# Altium PCB STB_LightBoard.PcbDoc (part 29 of 31) (continued)
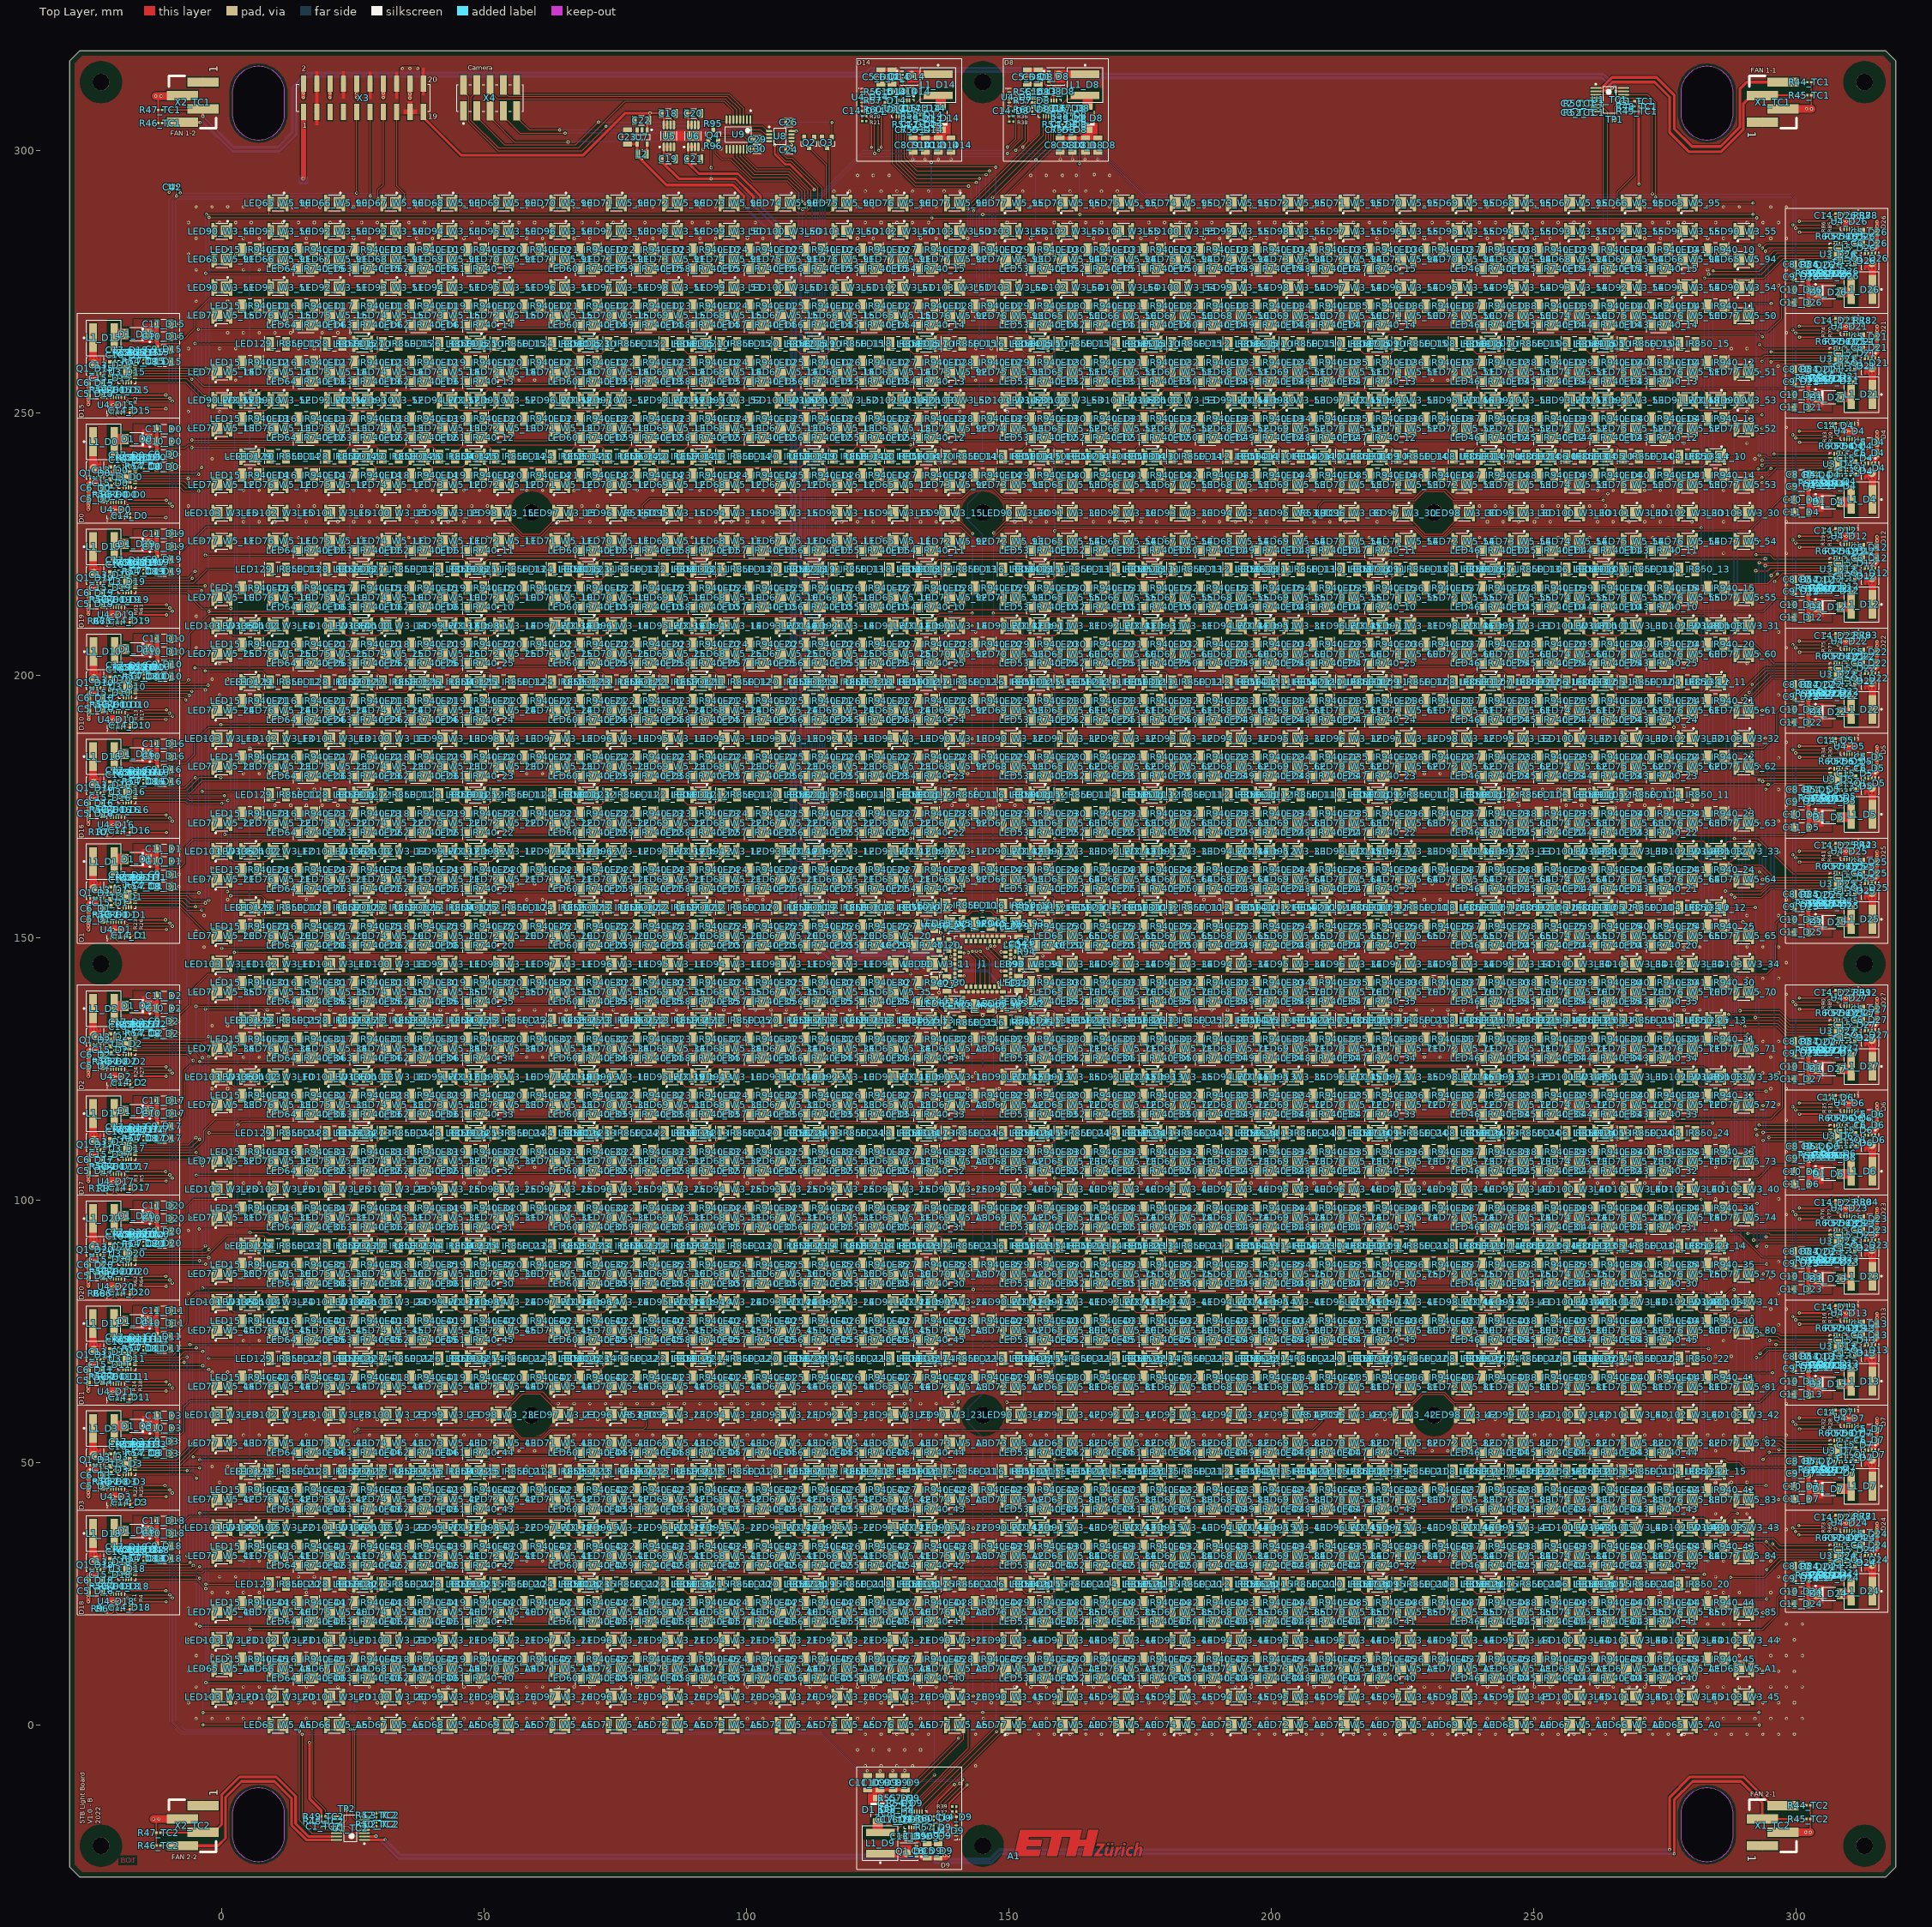
[diagram p0: Top Layer view]
## Nets (pads, with @x,y where several pads share a name; then routed paths per layer and width w, separated by ;. In a path a pad name is that pad's centre, name@x,y a point inside that pad or via, vN(x,y) a via of type N, cw(c..) or ccw(c..) an arc to the next point about the centre after c; other vN are vias at no path point) (continued)
NetLED141_b_14_1: LED141_b_14.1 LED142_b_14.2 | length 21.9
  Top Layer w0.2: LED141_b_14.1@135.962,80.55 LED141_b_14.1@135.962,81.6 ; LED142_b_14.2@154.044,80.55 154.044,81.825 153.421,82.448 136.634,82.448 136.211,82.025 136.162,82.025 135.962,81.825 LED141_b_14.1@135.962,81.6 ; LED141_b_14.1@135.962,81.6 135.562,81.6 LED141_b_14.1@135.962,81.6
NetLED141_b_15_1: LED141_b_15.1 LED142_b_15.2 | length 22.5
  Top Layer w0.2: LED141_b_15.1@135.962,37.59 LED141_b_15.1@135.962,38.64 ; LED142_b_15.2@154.634,37.59 LED142_b_15.2@154.044,37.59 154.044,38.865 153.461,39.448 136.545,39.448 135.962,38.865 LED141_b_15.1@135.962,38.64 ; LED141_b_15.1@135.962,38.64 135.562,38.64 LED141_b_15.1@135.962,38.64
NetLED142_b_10_1: LED142_b_10.1 LED143_b_10.2 | length 20.3
  Top Layer w0.2: LED142_b_10.1@156.379,252.39 LED142_b_10.1@157.444,252.39 ; LED142_b_10.1@157.444,253.665 157.644,253.865 158.109,254.33 174.861,254.33 LED143_b_10.2@175.526,253.665 ; LED143_b_10.2@175.526,252.39 LED143_b_10.2@176.116,252.39
NetLED142_b_11_1: LED142_b_11.1 LED143_b_11.2 | length 18.5
  Top Layer w0.2: LED142_b_11.1@157.444,210.705 157.996,211.257 174.974,211.257 LED143_b_11.2@175.526,210.705
NetLED142_b_12_1: LED142_b_12.1 LED143_b_12.2 | length 21.9
  Top Layer w0.2: LED142_b_12.1@157.444,166.47 LED142_b_12.1@157.444,167.52 ; LED143_b_12.2@175.526,166.47 175.526,167.745 174.925,168.346 158.094,168.346 157.693,167.945 157.644,167.945 157.444,167.745 LED142_b_12.1@157.444,167.52 ; LED142_b_12.1@157.444,167.52 157.044,167.52 LED142_b_12.1@157.444,167.52
NetLED142_b_13_1: LED142_b_13.1 LED143_b_13.2 | length 19.8
  Top Layer w0.2: LED142_b_13.1@157.044,124.56 157.444,124.56 157.444,124.785 157.644,124.985 157.693,124.985 158.128,125.42 174.891,125.42 LED143_b_13.2@175.526,124.785 ; LED143_b_13.2@175.526,123.51 LED143_b_13.2@176.116,123.51
NetLED142_b_14_1: LED142_b_14.1 LED143_b_14.2 | length 22.4
  Top Layer w0.2: LED142_b_14.1@157.444,80.55 157.444,81.825 158.017,82.398 174.904,82.398 175.277,82.025 175.326,82.025 LED143_b_14.2@175.526,81.825 ; LED143_b_14.2@175.526,81.825 LED143_b_14.2@175.526,80.55 LED143_b_14.2@175.526,81.825
NetLED142_b_15_1: LED142_b_15.1 LED143_b_15.2 | length 21.7
  Top Layer w0.2: LED142_b_15.1@157.444,37.59 157.444,38.865 158.027,39.448 174.943,39.448 175.526,38.865 LED143_b_15.2@175.526,37.59 LED143_b_15.2@176.116,37.59
NetLED143_b_10_1: LED143_b_10.1 LED144_b_10.2 | length 20.3
  Top Layer w0.2: LED143_b_10.1@177.861,252.39 LED143_b_10.1@178.926,252.39 ; LED143_b_10.1@178.926,253.665 179.126,253.865 179.591,254.33 196.343,254.33 LED144_b_10.2@197.008,253.665 ; LED144_b_10.2@197.008,252.39 LED144_b_10.2@197.598,252.39
NetLED143_b_11_1: LED143_b_11.1 LED144_b_11.2 | length 18.5
  Top Layer w0.2: LED143_b_11.1@178.926,210.705 179.478,211.257 196.456,211.257 LED144_b_11.2@197.008,210.705
NetLED143_b_12_1: LED143_b_12.1 LED144_b_12.2 | length 21.6
  Top Layer w0.2: LED143_b_12.1@178.526,167.52 LED143_b_12.1@178.926,167.52 ; LED143_b_12.1@178.926,166.47 LED143_b_12.1@178.926,167.52 ; LED144_b_12.2@197.008,166.47 197.008,167.745 196.353,168.4 179.63,168.4 179.175,167.945 179.126,167.945 178.926,167.745 LED143_b_12.1@178.926,167.52
NetLED143_b_13_1: LED143_b_13.1 LED144_b_13.2 | length 19.8
  Top Layer w0.2: LED143_b_13.1@178.526,124.56 178.926,124.56 178.926,124.785 179.126,124.985 179.175,124.985 179.61,125.42 196.373,125.42 LED144_b_13.2@197.008,124.785 ; LED144_b_13.2@197.008,123.51 LED144_b_13.2@197.598,123.51
NetLED143_b_14_1: LED143_b_14.1 LED144_b_14.2 | length 21.1
  Top Layer w0.2: LED143_b_14.1@178.926,80.55 178.926,81.825 179.499,82.398 196.386,82.398 196.759,82.025 196.808,82.025 197.008,81.825 LED144_b_14.2@197.008,80.55
NetLED143_b_15_1: LED143_b_15.1 LED144_b_15.2 | length 21.7
  Top Layer w0.2: LED143_b_15.1@178.926,37.59 178.926,38.865 179.509,39.448 196.425,39.448 197.008,38.865 LED144_b_15.2@197.008,37.59 LED144_b_15.2@197.598,37.59
NetLED144_b_10_1: LED144_b_10.1 LED145_b_10.2 | length 19.7
  Top Layer w0.2: LED144_b_10.1@199.343,252.39 LED144_b_10.1@200.408,252.39 ; LED144_b_10.1@200.408,253.665 200.608,253.865 201.073,254.33 217.825,254.33 LED145_b_10.2@218.49,253.665
NetLED144_b_11_1: LED144_b_11.1 LED145_b_11.2 | length 18.5
  Top Layer w0.2: LED144_b_11.1@200.408,210.705 200.96,211.257 217.938,211.257 LED145_b_11.2@218.49,210.705
NetLED144_b_12_1: LED144_b_12.1 LED145_b_12.2 | length 21.6
  Top Layer w0.2: LED144_b_12.1@200.008,167.52 LED144_b_12.1@200.408,167.52 ; LED144_b_12.1@200.408,166.47 LED144_b_12.1@200.408,167.52 ; LED145_b_12.2@218.49,166.47 218.49,167.745 217.835,168.4 201.112,168.4 200.657,167.945 200.608,167.945 200.408,167.745 LED144_b_12.1@200.408,167.52
NetLED144_b_13_1: LED144_b_13.1 LED145_b_13.2 | length 19.2
  Top Layer w0.2: LED144_b_13.1@200.008,124.56 200.408,124.56 200.408,124.785 200.608,124.985 200.657,124.985 201.092,125.42 217.855,125.42 LED145_b_13.2@218.49,124.785
NetLED144_b_14_1: LED144_b_14.1 LED145_b_14.2 | length 21.1
  Top Layer w0.2: LED144_b_14.1@200.408,80.55 200.408,81.825 200.981,82.398 217.868,82.398 218.241,82.025 218.29,82.025 218.49,81.825 LED145_b_14.2@218.49,80.55
NetLED144_b_15_1: LED144_b_15.1 LED145_b_15.2 | length 21.7
  Top Layer w0.2: LED144_b_15.1@200.408,37.59 200.408,38.865 200.991,39.448 217.907,39.448 218.49,38.865 LED145_b_15.2@218.49,37.59 LED145_b_15.2@219.08,37.59
NetLED145_b_10_1: LED145_b_10.1 LED146_b_10.2 | length 19.7
  Top Layer w0.2: LED145_b_10.1@220.825,252.39 LED145_b_10.1@221.89,252.39 ; LED145_b_10.1@221.89,253.665 222.09,253.865 222.555,254.33 239.307,254.33 LED146_b_10.2@239.972,253.665
NetLED145_b_11_1: LED145_b_11.1 LED146_b_11.2 | length 18.5
  Top Layer w0.2: LED145_b_11.1@221.89,210.705 222.442,211.257 239.42,211.257 LED146_b_11.2@239.972,210.705
NetLED145_b_12_1: LED145_b_12.1 LED146_b_12.2 | length 21.6
  Top Layer w0.2: LED145_b_12.1@221.49,167.52 LED145_b_12.1@221.89,167.52 ; LED145_b_12.1@221.89,166.47 LED145_b_12.1@221.89,167.52 ; LED146_b_12.2@239.972,166.47 239.972,167.745 239.317,168.4 222.594,168.4 222.139,167.945 222.09,167.945 221.89,167.745 LED145_b_12.1@221.89,167.52
NetLED145_b_13_1: LED145_b_13.1 LED146_b_13.2 | length 19.2
  Top Layer w0.2: LED145_b_13.1@221.49,124.56 221.89,124.56 221.89,124.785 222.09,124.985 222.139,124.985 222.574,125.42 239.337,125.42 LED146_b_13.2@239.972,124.785
NetLED145_b_14_1: LED145_b_14.1 LED146_b_14.2 | length 21.1
  Top Layer w0.2: LED145_b_14.1@221.89,80.55 221.89,81.825 222.463,82.398 239.35,82.398 239.723,82.025 239.772,82.025 239.972,81.825 LED146_b_14.2@239.972,80.55
NetLED145_b_15_1: LED145_b_15.1 LED146_b_15.2 | length 21.7
  Top Layer w0.2: LED145_b_15.1@221.89,37.59 221.89,38.865 222.473,39.448 239.389,39.448 239.972,38.865 LED146_b_15.2@239.972,37.59 LED146_b_15.2@240.562,37.59
NetLED146_b_10_1: LED146_b_10.1 LED147_b_10.2 | length 19.7
  Top Layer w0.2: LED146_b_10.1@242.307,252.39 LED146_b_10.1@243.372,252.39 ; LED146_b_10.1@243.372,253.665 243.572,253.865 244.037,254.33 260.789,254.33 LED147_b_10.2@261.454,253.665
NetLED146_b_11_1: LED146_b_11.1 LED147_b_11.2 | length 21.1
  Top Layer w0.2: LED146_b_11.1@243.372,209.43 243.372,210.705 243.924,211.257 259.888,211.257 259.958,211.188 260.971,211.188 261.454,210.705 LED147_b_11.2@261.454,209.43
NetLED146_b_12_1: LED146_b_12.1 LED147_b_12.2 | length 22.2
  Top Layer w0.2: LED146_b_12.1@242.972,167.52 LED146_b_12.1@243.372,167.52 ; LED146_b_12.1@243.372,166.47 LED146_b_12.1@243.372,167.52 ; LED147_b_12.2@262.044,166.47 LED147_b_12.2@261.454,166.47 261.454,167.745 260.799,168.4 244.076,168.4 243.621,167.945 243.572,167.945 243.372,167.745 LED146_b_12.1@243.372,167.52
NetLED146_b_13_1: LED146_b_13.1 LED147_b_13.2 | length 19.2
  Top Layer w0.2: LED146_b_13.1@242.972,124.56 243.372,124.56 243.372,124.785 243.572,124.985 243.621,124.985 244.056,125.42 260.819,125.42 LED147_b_13.2@261.454,124.785
NetLED146_b_14_1: LED146_b_14.1 LED147_b_14.2 | length 21.1
  Top Layer w0.2: LED146_b_14.1@243.372,80.55 243.372,81.825 243.945,82.398 260.832,82.398 261.205,82.025 261.254,82.025 261.454,81.825 LED147_b_14.2@261.454,80.55
NetLED146_b_15_1: LED146_b_15.1 LED147_b_15.2 | length 21.7
  Top Layer w0.2: LED146_b_15.1@243.372,37.59 243.372,38.865 243.955,39.448 260.871,39.448 261.454,38.865 LED147_b_15.2@261.454,37.59 LED147_b_15.2@262.044,37.59
NetLED147_b_10_1: LED147_b_10.1 LED148_b_10.2 | length 21.6
  Top Layer w0.2: LED147_b_10.1@263.789,252.39 LED147_b_10.1@264.854,252.39 ; LED147_b_10.1@264.854,253.665 265.054,253.865 265.519,254.33 282.271,254.33 282.936,253.665 LED148_b_10.2@282.936,252.39 LED148_b_10.2@283.526,252.39
NetLED147_b_11_1: LED147_b_11.1 LED148_b_11.2 | length 21.2
  Top Layer w0.2: LED147_b_11.1@264.854,209.43 264.854,210.705 265.337,211.188 265.564,211.188 265.742,211.366 282.275,211.366 282.936,210.705 LED148_b_11.2@282.936,209.43
NetLED147_b_12_1: LED147_b_12.1 LED148_b_12.2 | length 21.6
  Top Layer w0.2: LED147_b_12.1@264.454,167.52 LED147_b_12.1@264.854,167.52 ; LED147_b_12.1@264.854,166.47 LED147_b_12.1@264.854,167.52 ; LED148_b_12.2@282.936,166.47 282.936,167.745 282.281,168.4 265.558,168.4 265.103,167.945 265.054,167.945 264.854,167.745 LED147_b_12.1@264.854,167.52
NetLED147_b_13_1: LED147_b_13.1 LED148_b_13.2 | length 19.2
  Top Layer w0.2: LED147_b_13.1@264.454,124.56 264.854,124.56 264.854,124.785 265.054,124.985 265.103,124.985 265.538,125.42 282.301,125.42 LED148_b_13.2@282.936,124.785
NetLED147_b_14_1: LED147_b_14.1 LED148_b_14.2 | length 21.1
  Top Layer w0.2: LED147_b_14.1@264.854,80.55 264.854,81.825 265.427,82.398 282.314,82.398 282.687,82.025 282.736,82.025 282.936,81.825 LED148_b_14.2@282.936,80.55
NetLED147_b_15_1: LED147_b_15.1 LED148_b_15.2 | length 21.7
  Top Layer w0.2: LED147_b_15.1@264.854,37.59 264.854,38.865 265.437,39.448 282.353,39.448 282.936,38.865 LED148_b_15.2@282.936,37.59 LED148_b_15.2@283.526,37.59
NetLED148_b_10_1: LED148_b_10.1 U3_D25.10 | length 107.8
  Top Layer w0.2: LED148_b_10.1@285.271,252.39 LED148_b_10.1@286.336,252.39 286.346,252.4 v1(287.4,252.4) ; v1(288.2,168.9) 292.7,168.9 299.4,162.2 U3_D25.10@307.25,162.2
  Bottom Layer w0.2: v1(287.4,252.4) 288.2,251.6 v1(288.2,168.9)
NetLED148_b_11_1: LED148_b_11.1 U3_D25.11 | length 68
  Top Layer w0.2: LED148_b_11.1@285.271,209.43 LED148_b_11.1@286.336,209.43 286.406,209.5 v1(287.5,209.5) ; v1(287.498,163.8) 293.4,163.8 295.75,161.45 U3_D25.11@306.5,161.45
  Bottom Layer w0.2: v1(287.498,163.8) 287.534,163.837 287.534,198.929 287.5,198.963 v1(287.5,209.5)
NetLED148_b_12_1: LED148_b_12.1 U3_D25.12 | length 29
  Top Layer w0.2: LED148_b_12.1@286.336,165.195 LED148_b_12.1@286.336,166.47 286.336,167.745 286.921,168.33 292.37,168.33 292.945,167.755 v1(292.945,167.661) ; v1@293.086,162.586 294.722,160.95 U3_D25.12@306.5,160.95
  Bottom Layer w0.2: v1(292.945,167.661) 292.973,167.634 292.973,162.527 v1(293,162.5)
NetLED148_b_13_1: LED148_b_13.1 U3_D25.13 | length 58
  Top Layer w0.2: LED148_b_13.1@285.271,123.51 LED148_b_13.1@286.336,123.51 v1(286.99,123.51) ; v1(286.5,158.9) 293.4,158.9 294.95,160.45 U3_D25.13@306.5,160.45
  Bottom Layer w0.2: v1(286.5,158.9) 286.541,158.859 286.541,123.959 v1(286.99,123.51)
NetLED148_b_14_1: LED148_b_14.1 U3_D25.14 | length 99.7
  Top Layer w0.2: LED148_b_14.1@285.271,80.55 LED148_b_14.1@286.336,80.55 286.336,81.825 287.498,82.987 288.133,82.987 v1(288.146,83) ; v1(287.654,158.2) 287.708,158.254 293.254,158.254 294.95,159.95 U3_D25.14@306.5,159.95
  Bottom Layer w0.2: v1(287.654,158.2) 287.654,143.246 288.254,142.646 288.254,83.702 288.154,83.602 288.154,83.008 v1(288.146,83)
NetLED148_b_15_1: LED148_b_15.1 U3_D25.15 | length 140.9
  Top Layer w0.2: LED148_b_15.1@286.336,37.59 286.336,38.865 287.771,40.3 v1(288.8,40.3) ; v1(288.3,157.7) 293.4,157.7 295.15,159.45 U3_D25.15@306.5,159.45
  Bottom Layer w0.2: v1(288.3,157.7) 288.3,149.295 288.7,148.895 288.7,40.619 288.723,40.596 288.723,40.377 v1(288.8,40.3)
NetQ1_D0_4: Q1_D0.4 U3_D0.1 | length 4.7
  Top Layer w0.2: Q1_D0.4@-23.096,237.588 -23.096,237.728 -22.986,237.838 -22.58,237.838 -22,238.418 -22,238.993 -21.883,239.111 -20.708,239.111 -20.705,239.113 -19.884,239.113 -19.871,239.1 -19.827,239.1 -19.777,239.05 U3_D0.1@-19.5,239.05
NetQ1_D1_4: Q1_D1.4 U3_D1.1 | length 4.7
  Top Layer w0.2: Q1_D1.4@-23.096,157.588 -23.096,157.728 -22.986,157.838 -22.58,157.838 -22,158.418 -22,158.981 -21.883,159.098 -19.869,159.098 -19.84,159.069 -19.519,159.069 U3_D1.1@-19.5,159.05
NetQ1_D2_4: Q1_D2.4 U3_D2.1 | length 4.7
  Top Layer w0.2: Q1_D2.4@-23.096,129.588 -23.096,129.728 -22.986,129.838 -22.58,129.838 -22,130.418 -22,130.979 -21.883,131.096 -19.867,131.096 -19.84,131.069 -19.519,131.069 U3_D2.1@-19.5,131.05
NetQ1_D3_4: Q1_D3.4 U3_D3.1 | length 4.7
  Top Layer w0.2: Q1_D3.4@-23.096,49.588 -23.096,49.728 -22.986,49.838 -22.58,49.838 -22,50.418 -22,50.979 -21.883,51.096 -19.867,51.096 -19.84,51.069 U3_D3.1@-19.519,51.069 ; U3_D3.1@-19.519,51.069 U3_D3.1@-19.5,51.05 U3_D3.1@-19.519,51.069
NetQ1_D4_4: Q1_D4.4 U3_D4.1 | length 4.6
  Top Layer w0.2: U3_D4.1@309.5,238.95 309.519,238.931 309.84,238.931 309.853,238.918 310.701,238.918 310.708,238.911 311.875,238.911 312,239.035 312,239.582 312.58,240.162 312.986,240.162 313.096,240.272 Q1_D4.4@313.096,240.412
NetQ1_D5_4: Q1_D5.4 U3_D5.1 | length 4.7
  Top Layer w0.2: U3_D5.1@309.5,178.95 309.519,178.931 309.84,178.931 309.87,178.901 311.883,178.901 312,179.018 312,179.582 312.58,180.162 312.986,180.162 313.096,180.272 Q1_D5.4@313.096,180.412
NetQ1_D6_4: Q1_D6.4 U3_D6.1 | length 4.6
  Top Layer w0.2: U3_D6.1@309.5,110.95 309.519,110.931 309.84,110.931 309.853,110.917 310.701,110.917 310.708,110.91 311.876,110.91 312,111.035 312,111.582 312.58,112.162 312.986,112.162 313.096,112.272 Q1_D6.4@313.096,112.412
NetQ1_D7_4: Q1_D7.4 U3_D7.1 | length 4.7
  Top Layer w0.2: U3_D7.1@309.5,50.95 309.777,50.95 309.827,50.9 U3_D7.1@309.871,50.9 ; U3_D7.1@309.871,50.899 311.883,50.899 312,51.016 312,51.582 312.58,52.162 312.986,52.162 313.096,52.272 Q1_D7.4@313.096,52.412
NetQ1_D8_4: Q1_D8.4 U3_D8.1 | length 4.6
  Top Layer w0.2: Q1_D8.4@157.6,313.125 157.716,313.125 157.826,313.015 157.826,312.767 158.328,312.266 158.694,312.266 159.104,311.856 159.104,309.831 159.05,309.777 U3_D8.1@159.05,309.5
NetQ1_D9_4: Q1_D9.4 U3_D9.1 | length 4.5
  Top Layer w0.2: U3_D9.1@130.95,-19.5 130.95,-20.669 130.911,-20.708 130.911,-21.839 131.11,-22.039 131.45,-22.039 132.176,-22.765 132.176,-23.015 132.286,-23.125 Q1_D9.4@132.4,-23.125
NetQ1_D10_4: Q1_D10.4 U3_D10.1 | length 4.7
  Top Layer w0.2: Q1_D10.4@-23.038,197.588 -23.038,197.728 -22.928,197.838 -22.522,197.838 -21.942,198.418 -21.942,198.993 -21.825,199.111 -19.823,199.111 -19.782,199.069 -19.461,199.069 U3_D10.1@-19.442,199.05
NetQ1_D11_4: Q1_D11.4 U3_D11.1 | length 4.6
  Top Layer w0.2: Q1_D11.4@-23.138,69.588 -23.138,69.728 -23.028,69.838 -22.622,69.838 -22.042,70.418 -22.042,70.967 -21.919,71.089 -20.75,71.089 -20.745,71.084 -19.897,71.084 -19.882,71.069 -19.561,71.069 U3_D11.1@-19.542,71.05
NetQ1_D12_4: Q1_D12.4 U3_D12.1 | length 4.7
  Top Layer w0.2: U3_D12.1@309.5,218.95 309.777,218.95 309.827,218.9 U3_D12.1@309.871,218.9 ; U3_D12.1@309.871,218.899 311.883,218.899 312,219.017 312,219.582 312.58,220.162 312.986,220.162 313.096,220.272 Q1_D12.4@313.096,220.412
NetQ1_D13_4: Q1_D13.4 U3_D13.1 | length 4.7
  Top Layer w0.2: U3_D13.1@309.5,70.95 309.777,70.95 309.827,70.9 309.871,70.9 309.88,70.891 311.883,70.891 312,71.008 312,71.582 312.58,72.162 312.986,72.162 313.096,72.272 Q1_D13.4@313.096,72.412
NetQ1_D14_4: Q1_D14.4 U3_D14.1 | length 4.6
  Top Layer w0.2: Q1_D14.4@129.579,313.088 129.719,313.088 129.829,312.978 129.829,312.571 130.409,311.992 130.982,311.992 131.099,311.874 U3_D14.1@131.099,309.5
NetQ1_D15_4: Q1_D15.4 U3_D15.1 | length 4.6
  Top Layer w0.2: Q1_D15.4@-23.096,257.588 -23.096,257.619 -22.986,257.729 -22.689,257.729 -22,258.418 -22,258.979 -21.883,259.096 -19.867,259.096 -19.84,259.069 -19.519,259.069 U3_D15.1@-19.5,259.05
NetQ1_D16_4: Q1_D16.4 U3_D16.1 | length 4.5
  Top Layer w0.2: Q1_D16.4@-23.096,177.728 -22.986,177.838 -22.582,177.838 -22,178.42 -22,178.97 -21.881,179.089 -20.708,179.089 -20.706,179.088 -19.858,179.088 -19.84,179.069 -19.519,179.069 U3_D16.1@-19.5,179.05
NetQ1_D17_4: Q1_D17.4 U3_D17.1 | length 4.5
  Top Layer w0.2: Q1_D17.4@-23.096,109.728 -23.096,109.757 -23.015,109.838 -22.662,109.838 -22,110.5 -22,110.979 -21.883,111.096 -19.867,111.096 -19.84,111.069 -19.519,111.069 U3_D17.1@-19.5,111.05
NetQ1_D18_4: Q1_D18.4 U3_D18.1 | length 4.7
  Top Layer w0.2: Q1_D18.4@-23.096,29.588 -23.096,29.728 -22.986,29.838 -22.58,29.838 -22,30.418 -22,30.979 -21.883,31.096 -19.867,31.096 -19.84,31.069 -19.519,31.069 U3_D18.1@-19.5,31.05
NetQ1_D19_4: Q1_D19.4 U3_D19.1 | length 4.7
  Top Layer w0.2: Q1_D19.4@-23.096,217.588 -23.096,217.728 -22.986,217.838 -22.58,217.838 -22,218.418 -22,218.993 -21.883,219.111 -19.881,219.111 -19.84,219.069 -19.519,219.069 U3_D19.1@-19.5,219.05
NetQ1_D20_4: Q1_D20.4 U3_D20.1 | length 4.7
  Top Layer w0.2: Q1_D20.4@-23.096,89.588 -23.096,89.728 -22.986,89.838 -22.58,89.838 -22,90.418 -22,90.993 -21.883,91.111 -19.881,91.111 -19.84,91.069 -19.519,91.069 U3_D20.1@-19.5,91.05
NetQ1_D21_4: Q1_D21.4 U3_D21.1 | length 4.7
  Top Layer w0.2: U3_D21.1@309.5,258.95 309.777,258.95 309.827,258.9 309.871,258.9 309.882,258.888 310.707,258.888 310.708,258.89 311.883,258.89 312,259.007 312,259.582 312.58,260.162 312.986,260.162 313.096,260.272 Q1_D21.4@313.096,260.412
NetQ1_D22_4: Q1_D22.4 U3_D22.1 | length 4.6
  Top Layer w0.2: U3_D22.1@309.5,198.95 309.519,198.931 309.84,198.931 309.87,198.901 311.883,198.901 312,199.018 312,199.582 312.635,200.217 312.893,200.217 312.9,200.223 313.01,200.223 313.096,200.31 Q1_D22.4@313.096,200.412
NetQ1_D23_4: Q1_D23.4 U3_D23.1 | length 4.6
  Top Layer w0.2: U3_D23.1@309.5,90.95 309.519,90.931 309.84,90.931 309.856,90.915 310.704,90.915 310.708,90.911 311.879,90.911 312,91.032 312,91.582 312.58,92.162 312.986,92.162 313.096,92.272 Q1_D23.4@313.096,92.412
NetQ1_D24_4: Q1_D24.4 U3_D24.1 | length 4.6
  Top Layer w0.2: U3_D24.1@309.5,30.95 309.519,30.931 309.84,30.931 309.857,30.914 310.704,30.914 310.708,30.91 311.879,30.91 312,31.031 312,31.582 312.58,32.162 312.986,32.162 313.096,32.272 Q1_D24.4@313.096,32.412
NetQ1_D25_4: Q1_D25.4 U3_D25.1 | length 4.7
  Top Layer w0.2: U3_D25.1@309.5,158.95 309.777,158.95 309.827,158.9 309.871,158.9 309.881,158.89 311.883,158.89 312,159.007 312,159.582 312.58,160.162 312.986,160.162 313.096,160.272 Q1_D25.4@313.096,160.412
NetQ1_D26_4: Q1_D26.4 U3_D26.1 | length 4.7
  Top Layer w0.2: U3_D26.1@309.5,278.95 309.777,278.95 309.827,278.9 309.871,278.9 309.873,278.898 311.883,278.898 312,279.015 312,279.582 312.58,280.162 312.986,280.162 313.096,280.272 Q1_D26.4@313.096,280.412
NetQ1_D27_4: Q1_D27.4 U3_D27.1 | length 4.7
  Top Layer w0.2: U3_D27.1@309.5,130.95 309.777,130.95 309.827,130.9 309.871,130.9 309.91,130.86 310.679,130.86 310.708,130.889 311.883,130.889 312,131.007 312,131.582 312.58,132.162 312.986,132.162 313.096,132.272 Q1_D27.4@313.096,132.412
NetR1_1: R1.1 R4.2 U4_D18.3 | length 5.7
  Top Layer w0.254: U4_D18.3@-20.125,22.05 -20.123,22.048 -20.123,21.523 -19.8,21.2 -17.258,21.2 R1.1@-16.454,22.004 -16.446,21.996 -15.46,21.996 R4.2@-15.452,21.988
NetR2_1: R2.1 U4_D15.3 | length 4.7
  Top Layer w0.254: U4_D15.3@-20.125,250.05 -20.123,250.048 -20.123,249.523 -19.8,249.2 -17.261,249.2 -16.455,250.006 R2.1@-16.455,250.031
NetR3_1: R3.1 R5.2 U4_D17.3 | length 6.3
  Top Layer w0.254: U4_D17.3@-20.125,102.05 -20.123,102.048 -20.123,101.523 -19.8,101.2 -17.2,101.2 R3.1@-16.4,102 ; -15.602,102.029 -15.596,102.024 ; -15.596,102.024 -16.4,102.024 -15.596,102.024
NetR6_1: R6.1 R9.2 U4_D18.2 | length 3.9
  Top Layer w0.254: R9.2@-23.671,21.74 R6.1@-22.655,21.74 -22.163,21.248 -20.926,21.248 -20.625,21.549 U4_D18.2@-20.625,22.05
NetR7_1: R7.1 R10.2 U4_D16.2 | length 3.8
  Top Layer w0.254: R10.2@-23.556,169.744 -22.628,169.744 R7.1@-22.622,169.738 -22.084,169.2 -21.023,169.2 -20.625,169.598 U4_D16.2@-20.625,170.05
NetR8_1: R8.1 R11.2 U4_D17.2 | length 3.8
  Top Layer w0.254: R11.2@-23.472,101.869 R8.1@-22.553,101.869 -21.884,101.2 -20.9,101.2 -20.627,101.473 -20.627,102.048 U4_D17.2@-20.625,102.05
NetR12_1: R12.1 R16.2 U4_D13.3 | length 5.6
  Top Layer w0.2: R16.2@305.438,80.002 305.447,79.993 306.459,79.993 R12.1@306.468,79.985 307.283,80.8 309.7,80.8 310.115,80.385 310.115,79.96 U4_D13.3@310.125,79.95
NetR13_1: R13.1 R17.2 U4_D10.3 | length 5.9
  Top Layer w0.254: U4_D10.3@-20.067,190.05 -20.067,189.367 -19.7,189 -17.429,189 R13.1@-16.416,190.013 -16.413,190.016 -15.402,190.016 R17.2@-15.399,190.02
NetR14_1: R14.1 R18.2 U4_D11.3 | length 5.5
  Top Layer w0.2: U4_D11.3@-20.167,62.05 -20.157,62.04 -20.157,61.557 -19.9,61.3 -17.254,61.3 R14.1@-16.534,62.02 R18.2@-15.559,62.02
NetR15_1: R15.1 R19.2 U4_D12.3 | length 5.6
  Top Layer w0.2: R19.2@305.4,227.973 R15.1@306.428,227.973 307.155,228.7 309.8,228.7 310.115,228.385 310.115,227.96 U4_D12.3@310.125,227.95
NetR20_1: R20.1 R21.2 U4_D14.3 | length 5.7
  Top Layer w0.2: R21.2@122.038,305.552 122.032,305.558 122.032,306.512 R20.1@122.026,306.518 121.1,307.444 121.1,309.7 121.523,310.123 122.048,310.123 U4_D14.3@122.05,310.125
NetR22_1: R22.1 R25.2 U4_D3.3 | length 5.7
  Top Layer w0.2: U4_D3.3@-20.125,42.05 -20.115,42.04 -20.115,41.515 -19.9,41.3 -17.1,41.3 R22.1@-16.4,42 R25.2@-15.3,42
NetR23_1: R23.1 R26.2 U4_D1.3 | length 5.5
  Top Layer w0.254: U4_D1.3@-20.125,149.777 -20.125,149.651 -19.774,149.3 -17.183,149.3 R23.1@-16.46,150.023 -16.458,150.02 -15.393,150.02 R26.2@-15.391,150.018 ; U4_D1.3@-20.125,150.05 U4_D1.3@-20.125,150.198
NetR24_1: R24.1 R27.2 U4_D2.3 | length 5.9
  Top Layer w0.254: U4_D2.3@-20.125,122.05 -20.123,122.048 -20.123,121.423 -19.9,121.2 -17.2,121.2 R24.1@-16.4,122 R27.2@-15.3,122
NetR28_1: R28.1 R32.2 U4_D7.3 | length 5.6
  Top Layer w0.2: R32.2@305.5,59.975 305.525,60 R28.1@306.5,60 307.3,60.8 309.7,60.8 310.115,60.385 310.115,59.96 U4_D7.3@310.125,59.95
NetR29_1: R29.1 R33.2 U4_D4.3 | length 5.5
  Top Layer w0.2: R33.2@305.5,248 R29.1@306.5,248 307.2,248.7 309.8,248.7 310.115,248.385 310.115,247.96 U4_D4.3@310.125,247.95
NetR30_1: R30.1 R34.2 U4_D5.3 | length 5.7
  Top Layer w0.2: 305.225,188 R34.2@305.5,188 R30.1@306.5,188 307.188,188.688 309.784,188.688 310.115,188.356 310.115,187.96 U4_D5.3@310.125,187.95
NetR31_1: R31.1 R35.2 U4_D6.3 | length 5.7
  Top Layer w0.2: R35.2@305.3,120 R31.1@306.4,120 307.1,120.7 309.8,120.7 310.115,120.385 310.115,119.96 U4_D6.3@310.125,119.95
NetR36_1: R36.1 R38.2 U4_D8.3 | length 6.7
  Top Layer w0.2: U4_D8.3@150.05,310.125 149.417,310.125 149.3,310.008 149.3,307.228 ; R38.2@150.056,305.473 150.064,305.481 R36.1@150.064,306.464 ; 149.3,307.228 R36.1@150.064,306.464 ; 149.3,307.228 R36.1@150.064,306.464
NetR37_1: R37.1 R39.2 U4_D9.3 | length 5.5
  Top Layer w0.2: U4_D9.3@139.95,-20.125 139.96,-20.115 140.501,-20.115 140.7,-19.916 140.7,-17.23 R37.1@139.98,-16.51 139.983,-16.507 139.983,-15.524 R39.2@139.986,-15.522
NetR40_1: R40.1 R41.2 U4_D25.3 | length 5.6
  Top Layer w0.2: R41.2@305.5,168 R40.1@306.5,168 307.2,168.7 310.008,168.7 310.125,168.583 U4_D25.3@310.125,167.95
NetR42_1: R42.1 R43.2 U4_D25.2 | length 4.1
  Top Layer w0.2: U4_D25.2@310.625,167.95 310.635,167.959 310.635,168.535 310.8,168.7 312.2,168.7 R42.1@312.8,168.1 R43.2@313.8,168.1
NetR48_TC1_1: R48_TC1.1 TP1.TP U1_TC1.11 | length 6.5
  Top Layer w0.2: TP1.TP@265.4,305.9 265.4,308.3 265.803,308.703 U1_TC1.11@267.115,308.703 268.915,308.703 269.103,308.516 269.103,308.51 R48_TC1.1@269.222,308.391 ; R48_TC1.1@269.222,308.391 269.228,308.391 R48_TC1.1@269.222,308.391
NetR48_TC2_1: R48_TC2.1 TP2.TP U1_TC2.11 | length 6.5
  Top Layer w0.254: R48_TC2.1@19.772,-18.385 20.091,-18.703 U1_TC2.11@21.885,-18.703 23.197,-18.703 23.8,-18.101 TP2.TP@23.8,-16
NetR59_D0_2: R59_D0.2 U3_D0.17 | length 2.3
  Top Layer w0.2: U3_D0.17@-17.25,239.8 -17.25,240.05 -16.875,240.425 -16.112,240.425 -15.884,240.653 -15.884,241.052 R59_D0.2@-15.875,241.06
NetR59_D1_2: R59_D1.2 U3_D1.17 | length 2.3
  Top Layer w0.2: U3_D1.17@-17.25,159.8 -17.25,160.05 -16.875,160.425 -16.112,160.425 -15.884,160.653 -15.884,161.052 R59_D1.2@-15.875,161.061
NetR59_D2_2: R59_D2.2 U3_D2.17 | length 2.3
  Top Layer w0.2: U3_D2.17@-17.25,131.8 -17.25,132.05 -16.875,132.425 -16.112,132.425 -15.884,132.653 -15.884,133.052 R59_D2.2@-15.875,133.061
NetR59_D3_2: R59_D3.2 U3_D3.17 | length 2.3
  Top Layer w0.2: U3_D3.17@-17.25,51.8 -17.25,52.05 -16.875,52.425 -16.112,52.425 -15.884,52.653 -15.884,53.052 R59_D3.2@-15.875,53.061
NetR59_D4_2: R59_D4.2 U3_D4.17 | length 2.3
  Top Layer w0.2: R59_D4.2@305.875,236.939 305.884,236.948 305.884,237.347 306.112,237.575 306.875,237.575 307.25,237.95 U3_D4.17@307.25,238.2
NetR59_D5_2: R59_D5.2 U3_D5.17 | length 2.3
  Top Layer w0.2: R59_D5.2@305.875,176.939 305.884,176.948 305.884,177.347 306.112,177.575 306.875,177.575 307.25,177.95 U3_D5.17@307.25,178.2
NetR59_D6_2: R59_D6.2 U3_D6.17 | length 2.3
  Top Layer w0.2: R59_D6.2@305.875,108.939 305.884,108.948 305.884,109.347 306.112,109.575 306.875,109.575 307.25,109.95 U3_D6.17@307.25,110.2
NetR59_D7_2: R59_D7.2 U3_D7.17 | length 2.3
  Top Layer w0.2: R59_D7.2@305.875,48.94 305.884,48.948 305.884,49.347 306.112,49.575 306.875,49.575 307.25,49.95 U3_D7.17@307.25,50.2
NetR59_D8_2: R59_D8.2 U3_D8.17 | length 2.3
  Top Layer w0.2: U3_D8.17@159.8,307.25 160.05,307.25 160.425,306.875 160.425,306.112 160.653,305.884 161.052,305.884 R59_D8.2@161.06,305.875
NetR59_D9_2: R59_D9.2 U3_D9.17 | length 2.3
  Top Layer w0.2: R59_D9.2@128.939,-15.875 128.948,-15.884 129.347,-15.884 129.575,-16.112 129.575,-16.875 129.95,-17.25 U3_D9.17@130.2,-17.25
NetR59_D10_2: R59_D10.2 U3_D10.17 | length 2.3
  Top Layer w0.2: U3_D10.17@-17.192,199.8 -17.192,200.05 -16.817,200.425 -16.054,200.425 -15.826,200.653 -15.826,201.052 R59_D10.2@-15.817,201.06
NetR59_D11_2: R59_D11.2 U3_D11.17 | length 2.3
  Top Layer w0.2: U3_D11.17@-17.292,71.8 -17.292,72.05 -16.917,72.425 -16.154,72.425 -15.926,72.653 -15.926,73.052 R59_D11.2@-15.917,73.06
NetR59_D12_2: R59_D12.2 U3_D12.17 | length 2.3
  Top Layer w0.2: R59_D12.2@305.875,216.939 305.884,216.948 305.884,217.347 306.112,217.575 306.875,217.575 307.25,217.95 U3_D12.17@307.25,218.2
NetR59_D13_2: R59_D13.2 U3_D13.17 | length 2.3
  Top Layer w0.2: R59_D13.2@305.875,68.94 305.884,68.948 305.884,69.347 306.112,69.575 306.875,69.575 307.25,69.95 U3_D13.17@307.25,70.2
NetR59_D14_2: R59_D14.2 U3_D14.17 | length 2.3
  Top Layer w0.2: U3_D14.17@131.8,307.25 132.05,307.25 132.425,306.875 132.425,306.112 132.653,305.884 133.052,305.884 R59_D14.2@133.06,305.875
NetR59_D15_2: R59_D15.2 U3_D15.17 | length 2.3
  Top Layer w0.2: U3_D15.17@-17.25,259.8 -17.25,260.05 -16.875,260.425 -16.112,260.425 -15.884,260.653 -15.884,261.052 R59_D15.2@-15.875,261.061
NetR59_D16_2: R59_D16.2 U3_D16.17 | length 2.3
  Top Layer w0.2: U3_D16.17@-17.25,179.8 -17.25,180.05 -16.875,180.425 -16.112,180.425 -15.884,180.653 -15.884,181.052 R59_D16.2@-15.875,181.061
NetR59_D17_2: R59_D17.2 U3_D17.17 | length 2.3
  Top Layer w0.2: U3_D17.17@-17.25,111.8 -17.25,112.05 -16.875,112.425 -16.112,112.425 -15.884,112.653 -15.884,113.052 R59_D17.2@-15.875,113.06
NetR59_D18_2: R59_D18.2 U3_D18.17 | length 2.3
  Top Layer w0.2: U3_D18.17@-17.25,31.8 -17.25,32.05 -16.875,32.425 -16.112,32.425 -15.884,32.653 -15.884,33.052 R59_D18.2@-15.875,33.061
NetR59_D19_2: R59_D19.2 U3_D19.17 | length 2.3
  Top Layer w0.2: U3_D19.17@-17.25,219.8 -17.25,220.05 -16.875,220.425 -16.112,220.425 -15.884,220.653 -15.884,221.052 R59_D19.2@-15.875,221.06
NetR59_D20_2: R59_D20.2 U3_D20.17 | length 2.3
  Top Layer w0.2: U3_D20.17@-17.25,91.8 -17.25,92.05 -16.875,92.425 -16.112,92.425 -15.884,92.653 -15.884,93.052 R59_D20.2@-15.875,93.06
NetR59_D21_2: R59_D21.2 U3_D21.17 | length 2.3
  Top Layer w0.2: R59_D21.2@305.875,256.94 305.884,256.948 305.884,257.347 306.112,257.575 306.875,257.575 307.25,257.95 U3_D21.17@307.25,258.2
NetR59_D22_2: R59_D22.2 U3_D22.17 | length 2.3
  Top Layer w0.2: R59_D22.2@305.875,196.94 305.884,196.948 305.884,197.347 306.112,197.575 306.875,197.575 307.25,197.95 U3_D22.17@307.25,198.2
NetR59_D23_2: R59_D23.2 U3_D23.17 | length 2.3
  Top Layer w0.2: R59_D23.2@305.875,88.939 305.884,88.948 305.884,89.347 306.112,89.575 306.875,89.575 307.25,89.95 U3_D23.17@307.25,90.2
NetR59_D24_2: R59_D24.2 U3_D24.17 | length 2.3
  Top Layer w0.2: R59_D24.2@305.875,28.94 305.884,28.948 305.884,29.347 306.112,29.575 306.875,29.575 307.25,29.95 U3_D24.17@307.25,30.2
NetR59_D25_2: R59_D25.2 U3_D25.17 | length 2.3
  Top Layer w0.2: R59_D25.2@305.875,156.939 305.884,156.948 305.884,157.347 306.112,157.575 306.875,157.575 307.25,157.95 U3_D25.17@307.25,158.2

## Text inside footprints (layer, text, board x,y; h text height)
LED77_W5_52: Mechanical 1 "A" at 288.483,249.306 h0.51 r180; Mechanical 1 "K" at 291.912,249.306 h0.51 r180
LED77_W5_53: Mechanical 1 "A" at 288.483,238.566 h0.51 r180; Mechanical 1 "K" at 291.912,238.566 h0.51 r180
LED77_W5_54: Mechanical 1 "A" at 288.483,227.826 h0.51 r180; Mechanical 1 "K" at 291.912,227.826 h0.51 r180
LED77_W5_55: Mechanical 1 "A" at 288.483,217.086 h0.51 r180; Mechanical 1 "K" at 291.912,217.086 h0.51 r180
LED77_W5_60: Mechanical 1 "A" at 288.483,206.346 h0.51 r180; Mechanical 1 "K" at 291.912,206.346 h0.51 r180
LED77_W5_61: Mechanical 1 "A" at 288.483,195.606 h0.51 r180; Mechanical 1 "K" at 291.912,195.606 h0.51 r180
LED77_W5_62: Mechanical 1 "A" at 288.483,184.866 h0.51 r180; Mechanical 1 "K" at 291.912,184.866 h0.51 r180
LED77_W5_63: Mechanical 1 "A" at 288.483,174.126 h0.51 r180; Mechanical 1 "K" at 291.912,174.126 h0.51 r180
LED77_W5_64: Mechanical 1 "A" at 288.483,163.386 h0.51 r180; Mechanical 1 "K" at 291.912,163.386 h0.51 r180
LED77_W5_65: Mechanical 1 "A" at 288.483,152.646 h0.51 r180; Mechanical 1 "K" at 291.912,152.646 h0.51 r180
LED77_W5_70: Mechanical 1 "A" at 288.483,141.906 h0.51 r180; Mechanical 1 "K" at 291.912,141.906 h0.51 r180
LED77_W5_71: Mechanical 1 "A" at 288.483,131.166 h0.51 r180; Mechanical 1 "K" at 291.912,131.166 h0.51 r180
LED77_W5_72: Mechanical 1 "A" at 288.483,120.426 h0.51 r180; Mechanical 1 "K" at 291.912,120.426 h0.51 r180
LED77_W5_73: Mechanical 1 "A" at 288.483,109.686 h0.51 r180; Mechanical 1 "K" at 291.912,109.686 h0.51 r180
LED77_W5_74: Mechanical 1 "A" at 288.483,98.946 h0.51 r180; Mechanical 1 "K" at 291.912,98.946 h0.51 r180
LED77_W5_75: Mechanical 1 "A" at 288.483,88.206 h0.51 r180; Mechanical 1 "K" at 291.912,88.206 h0.51 r180
LED77_W5_80: Mechanical 1 "A" at 288.483,77.466 h0.51 r180; Mechanical 1 "K" at 291.912,77.466 h0.51 r180
LED77_W5_81: Mechanical 1 "A" at 288.483,66.726 h0.51 r180; Mechanical 1 "K" at 291.912,66.726 h0.51 r180
LED77_W5_82: Mechanical 1 "A" at 288.483,55.986 h0.51 r180; Mechanical 1 "K" at 291.912,55.986 h0.51 r180
LED77_W5_83: Mechanical 1 "A" at 288.483,45.246 h0.51 r180; Mechanical 1 "K" at 291.912,45.246 h0.51 r180
LED77_W5_84: Mechanical 1 "A" at 288.483,34.506 h0.51 r180; Mechanical 1 "K" at 291.912,34.506 h0.51 r180
LED77_W5_85: Mechanical 1 "A" at 288.483,23.766 h0.51 r180; Mechanical 1 "K" at 291.912,23.766 h0.51 r180
LED77_W5_90: Mechanical 1 "A" at 138.109,292.266 h0.51 r180; Mechanical 1 "K" at 141.538,292.266 h0.51 r180
LED77_W5_91: Mechanical 1 "A" at 127.368,281.526 h0.51 r180; Mechanical 1 "K" at 130.797,281.526 h0.51 r180
LED77_W5_92: Mechanical 1 "A" at 138.109,281.526 h0.51 r180; Mechanical 1 "K" at 141.538,281.526 h0.51 r180
LED77_W5_93: Mechanical 1 "A" at 151.898,276.954 h0.51; Mechanical 1 "K" at 148.469,276.954 h0.51
LED77_W5_94: Mechanical 1 "A" at 162.639,276.954 h0.51; Mechanical 1 "K" at 159.21,276.954 h0.51
LED77_W5_95: Mechanical 1 "A" at 151.898,287.694 h0.51; Mechanical 1 "K" at 148.469,287.694 h0.51
LED77_W5_A0: Mechanical 1 "A" at 151.898,-2.286 h0.51; Mechanical 1 "K" at 148.469,-2.286 h0.51
LED77_W5_A1: Mechanical 1 "A" at 162.639,8.454 h0.51; Mechanical 1 "K" at 159.21,8.454 h0.51
LED77_W5_A2: Mechanical 1 "A" at 151.898,8.454 h0.51; Mechanical 1 "K" at 148.469,8.454 h0.51
LED77_W5_A3: Mechanical 1 "A" at 138.109,13.026 h0.51 r180; Mechanical 1 "K" at 141.538,13.026 h0.51 r180
LED77_W5_A4: Mechanical 1 "A" at 127.368,13.026 h0.51 r180; Mechanical 1 "K" at 130.797,13.026 h0.51 r180
LED77_W5_A5: Mechanical 1 "A" at 138.109,2.286 h0.51 r180; Mechanical 1 "K" at 141.538,2.286 h0.51 r180
LED78_g_10: Mechanical 1 "A" at 25.328,265.416 h0.51 r180; Mechanical 1 "K" at 28.757,265.416 h0.51 r180
LED78_g_11: Mechanical 1 "A" at 25.328,222.456 h0.51 r180; Mechanical 1 "K" at 28.757,222.456 h0.51 r180
LED78_g_12: Mechanical 1 "A" at 25.328,179.496 h0.51 r180; Mechanical 1 "K" at 28.757,179.496 h0.51 r180
LED78_g_13: Mechanical 1 "A" at 25.328,115.056 h0.51 r180; Mechanical 1 "K" at 28.757,115.056 h0.51 r180
LED78_g_14: Mechanical 1 "A" at 25.328,72.096 h0.51 r180; Mechanical 1 "K" at 28.757,72.096 h0.51 r180
LED78_g_15: Mechanical 1 "A" at 25.328,29.136 h0.51 r180; Mechanical 1 "K" at 28.757,29.136 h0.51 r180
LED79_g_10: Mechanical 1 "A" at 46.81,265.416 h0.51 r180; Mechanical 1 "K" at 50.239,265.416 h0.51 r180
LED79_g_11: Mechanical 1 "A" at 46.81,222.456 h0.51 r180; Mechanical 1 "K" at 50.239,222.456 h0.51 r180
LED79_g_12: Mechanical 1 "A" at 46.81,179.496 h0.51 r180; Mechanical 1 "K" at 50.239,179.496 h0.51 r180
LED79_g_13: Mechanical 1 "A" at 46.81,115.056 h0.51 r180; Mechanical 1 "K" at 50.239,115.056 h0.51 r180
LED79_g_14: Mechanical 1 "A" at 46.81,72.096 h0.51 r180; Mechanical 1 "K" at 50.239,72.096 h0.51 r180
LED79_g_15: Mechanical 1 "A" at 46.81,29.136 h0.51 r180; Mechanical 1 "K" at 50.239,29.136 h0.51 r180
LED80_g_10: Mechanical 1 "A" at 68.292,265.416 h0.51 r180; Mechanical 1 "K" at 71.721,265.416 h0.51 r180
LED80_g_11: Mechanical 1 "A" at 68.292,222.456 h0.51 r180; Mechanical 1 "K" at 71.721,222.456 h0.51 r180
LED80_g_12: Mechanical 1 "A" at 68.292,179.496 h0.51 r180; Mechanical 1 "K" at 71.721,179.496 h0.51 r180
LED80_g_13: Mechanical 1 "A" at 68.292,115.056 h0.51 r180; Mechanical 1 "K" at 71.721,115.056 h0.51 r180
LED80_g_14: Mechanical 1 "A" at 68.292,72.096 h0.51 r180; Mechanical 1 "K" at 71.721,72.096 h0.51 r180
LED80_g_15: Mechanical 1 "A" at 68.292,29.136 h0.51 r180; Mechanical 1 "K" at 71.721,29.136 h0.51 r180
LED81_g_10: Mechanical 1 "A" at 89.774,265.416 h0.51 r180; Mechanical 1 "K" at 93.203,265.416 h0.51 r180
LED81_g_11: Mechanical 1 "A" at 89.774,222.456 h0.51 r180; Mechanical 1 "K" at 93.203,222.456 h0.51 r180
LED81_g_12: Mechanical 1 "A" at 89.774,179.496 h0.51 r180; Mechanical 1 "K" at 93.203,179.496 h0.51 r180
LED81_g_13: Mechanical 1 "A" at 89.774,115.056 h0.51 r180; Mechanical 1 "K" at 93.203,115.056 h0.51 r180
LED81_g_14: Mechanical 1 "A" at 89.774,72.096 h0.51 r180; Mechanical 1 "K" at 93.203,72.096 h0.51 r180
LED81_g_15: Mechanical 1 "A" at 89.774,29.136 h0.51 r180; Mechanical 1 "K" at 93.203,29.136 h0.51 r180
LED82_g_10: Mechanical 1 "A" at 111.256,265.416 h0.51 r180; Mechanical 1 "K" at 114.685,265.416 h0.51 r180
LED82_g_11: Mechanical 1 "A" at 111.256,222.456 h0.51 r180; Mechanical 1 "K" at 114.685,222.456 h0.51 r180
LED82_g_12: Mechanical 1 "A" at 111.256,179.496 h0.51 r180; Mechanical 1 "K" at 114.685,179.496 h0.51 r180
LED82_g_13: Mechanical 1 "A" at 111.256,115.056 h0.51 r180; Mechanical 1 "K" at 114.685,115.056 h0.51 r180
LED82_g_14: Mechanical 1 "A" at 111.256,72.096 h0.51 r180; Mechanical 1 "K" at 114.685,72.096 h0.51 r180
LED82_g_15: Mechanical 1 "A" at 111.256,29.136 h0.51 r180; Mechanical 1 "K" at 114.685,29.136 h0.51 r180
LED83_g_10: Mechanical 1 "A" at 132.738,265.416 h0.51 r180; Mechanical 1 "K" at 136.167,265.416 h0.51 r180
LED83_g_11: Mechanical 1 "A" at 132.738,222.456 h0.51 r180; Mechanical 1 "K" at 136.167,222.456 h0.51 r180
LED83_g_12: Mechanical 1 "A" at 132.738,179.496 h0.51 r180; Mechanical 1 "K" at 136.167,179.496 h0.51 r180
LED83_g_13: Mechanical 1 "A" at 132.738,115.056 h0.51 r180; Mechanical 1 "K" at 136.167,115.056 h0.51 r180
LED83_g_14: Mechanical 1 "A" at 132.738,72.096 h0.51 r180; Mechanical 1 "K" at 136.167,72.096 h0.51 r180
LED83_g_15: Mechanical 1 "A" at 132.738,29.136 h0.51 r180; Mechanical 1 "K" at 136.167,29.136 h0.51 r180
LED84_g_10: Mechanical 1 "A" at 154.22,265.416 h0.51 r180; Mechanical 1 "K" at 157.649,265.416 h0.51 r180
LED84_g_11: Mechanical 1 "A" at 154.22,222.456 h0.51 r180; Mechanical 1 "K" at 157.649,222.456 h0.51 r180
LED84_g_12: Mechanical 1 "A" at 154.22,179.496 h0.51 r180; Mechanical 1 "K" at 157.649,179.496 h0.51 r180
LED84_g_13: Mechanical 1 "A" at 154.22,115.056 h0.51 r180; Mechanical 1 "K" at 157.649,115.056 h0.51 r180
LED84_g_14: Mechanical 1 "A" at 154.22,72.096 h0.51 r180; Mechanical 1 "K" at 157.649,72.096 h0.51 r180
LED84_g_15: Mechanical 1 "A" at 154.22,29.136 h0.51 r180; Mechanical 1 "K" at 157.649,29.136 h0.51 r180
LED85_g_10: Mechanical 1 "A" at 175.702,265.416 h0.51 r180; Mechanical 1 "K" at 179.131,265.416 h0.51 r180
LED85_g_11: Mechanical 1 "A" at 175.702,222.456 h0.51 r180; Mechanical 1 "K" at 179.131,222.456 h0.51 r180
LED85_g_12: Mechanical 1 "A" at 175.702,179.496 h0.51 r180; Mechanical 1 "K" at 179.131,179.496 h0.51 r180
LED85_g_13: Mechanical 1 "A" at 175.702,115.056 h0.51 r180; Mechanical 1 "K" at 179.131,115.056 h0.51 r180
LED85_g_14: Mechanical 1 "A" at 175.702,72.096 h0.51 r180; Mechanical 1 "K" at 179.131,72.096 h0.51 r180
LED85_g_15: Mechanical 1 "A" at 175.702,29.136 h0.51 r180; Mechanical 1 "K" at 179.131,29.136 h0.51 r180
LED86_g_10: Mechanical 1 "A" at 197.184,265.416 h0.51 r180; Mechanical 1 "K" at 200.613,265.416 h0.51 r180
LED86_g_11: Mechanical 1 "A" at 197.184,222.456 h0.51 r180; Mechanical 1 "K" at 200.613,222.456 h0.51 r180
LED86_g_12: Mechanical 1 "A" at 197.184,179.496 h0.51 r180; Mechanical 1 "K" at 200.613,179.496 h0.51 r180
LED86_g_13: Mechanical 1 "A" at 197.184,115.056 h0.51 r180; Mechanical 1 "K" at 200.613,115.056 h0.51 r180
LED86_g_14: Mechanical 1 "A" at 197.184,72.096 h0.51 r180; Mechanical 1 "K" at 200.613,72.096 h0.51 r180
LED86_g_15: Mechanical 1 "A" at 197.184,29.136 h0.51 r180; Mechanical 1 "K" at 200.613,29.136 h0.51 r180
LED87_g_10: Mechanical 1 "A" at 218.666,265.416 h0.51 r180; Mechanical 1 "K" at 222.095,265.416 h0.51 r180
LED87_g_11: Mechanical 1 "A" at 218.666,222.456 h0.51 r180; Mechanical 1 "K" at 222.095,222.456 h0.51 r180
LED87_g_12: Mechanical 1 "A" at 218.666,179.496 h0.51 r180; Mechanical 1 "K" at 222.095,179.496 h0.51 r180
LED87_g_13: Mechanical 1 "A" at 218.666,115.056 h0.51 r180; Mechanical 1 "K" at 222.095,115.056 h0.51 r180
LED87_g_14: Mechanical 1 "A" at 218.666,72.096 h0.51 r180; Mechanical 1 "K" at 222.095,72.096 h0.51 r180
LED87_g_15: Mechanical 1 "A" at 218.666,29.136 h0.51 r180; Mechanical 1 "K" at 222.095,29.136 h0.51 r180
LED88_g_10: Mechanical 1 "A" at 240.148,265.416 h0.51 r180; Mechanical 1 "K" at 243.577,265.416 h0.51 r180
LED88_g_11: Mechanical 1 "A" at 240.148,222.456 h0.51 r180; Mechanical 1 "K" at 243.577,222.456 h0.51 r180
LED88_g_12: Mechanical 1 "A" at 240.148,179.496 h0.51 r180; Mechanical 1 "K" at 243.577,179.496 h0.51 r180
LED88_g_13: Mechanical 1 "A" at 240.148,115.056 h0.51 r180; Mechanical 1 "K" at 243.577,115.056 h0.51 r180
LED88_g_14: Mechanical 1 "A" at 240.148,72.096 h0.51 r180; Mechanical 1 "K" at 243.577,72.096 h0.51 r180
LED88_g_15: Mechanical 1 "A" at 240.148,29.136 h0.51 r180; Mechanical 1 "K" at 243.577,29.136 h0.51 r180
LED89_g_10: Mechanical 1 "A" at 261.63,265.416 h0.51 r180; Mechanical 1 "K" at 265.059,265.416 h0.51 r180
LED89_g_11: Mechanical 1 "A" at 261.63,222.456 h0.51 r180; Mechanical 1 "K" at 265.059,222.456 h0.51 r180
LED89_g_12: Mechanical 1 "A" at 261.63,179.496 h0.51 r180; Mechanical 1 "K" at 265.059,179.496 h0.51 r180
LED89_g_13: Mechanical 1 "A" at 261.63,115.056 h0.51 r180; Mechanical 1 "K" at 265.059,115.056 h0.51 r180
LED89_g_14: Mechanical 1 "A" at 261.63,72.096 h0.51 r180; Mechanical 1 "K" at 265.059,72.096 h0.51 r180
LED89_g_15: Mechanical 1 "A" at 261.63,29.136 h0.51 r180; Mechanical 1 "K" at 265.059,29.136 h0.51 r180
LED90_W3_10: Mechanical 1 "A" at 141.157,121.224 h0.51; Mechanical 1 "K" at 137.728,121.224 h0.51
LED90_W3_11: Mechanical 1 "A" at 137.857,142.704 h0.51; Mechanical 1 "K" at 134.428,142.704 h0.51
LED90_W3_12: Mechanical 1 "A" at 141.157,164.184 h0.51; Mechanical 1 "K" at 137.728,164.184 h0.51
LED90_W3_13: Mechanical 1 "A" at 141.157,185.664 h0.51; Mechanical 1 "K" at 137.728,185.664 h0.51
LED90_W3_14: Mechanical 1 "A" at 141.157,207.144 h0.51; Mechanical 1 "K" at 137.728,207.144 h0.51
LED90_W3_15: Mechanical 1 "K" at 136.728,228.624 h0.51; Mechanical 1 "A" at 140.157,228.624 h0.51
LED90_W3_20: Mechanical 1 "A" at 141.157,3.084 h0.51; Mechanical 1 "K" at 137.728,3.084 h0.51
LED90_W3_21: Mechanical 1 "A" at 141.157,13.824 h0.51; Mechanical 1 "K" at 137.728,13.824 h0.51
LED90_W3_22: Mechanical 1 "A" at 141.157,35.304 h0.51; Mechanical 1 "K" at 137.728,35.304 h0.51
LED90_W3_23: Mechanical 1 "K" at 136.728,56.784 h0.51; Mechanical 1 "A" at 140.157,56.784 h0.51
LED90_W3_24: Mechanical 1 "A" at 141.157,78.264 h0.51; Mechanical 1 "K" at 137.728,78.264 h0.51
LED90_W3_25: Mechanical 1 "A" at 141.157,99.744 h0.51; Mechanical 1 "K" at 137.728,99.744 h0.51
LED90_W3_30: Mechanical 1 "A" at 149.85,233.196 h0.51 r180; Mechanical 1 "K" at 153.279,233.196 h0.51 r180
LED90_W3_31: Mechanical 1 "A" at 148.85,211.716 h0.51 r180; Mechanical 1 "K" at 152.279,211.716 h0.51 r180
LED90_W3_32: Mechanical 1 "A" at 148.85,190.236 h0.51 r180; Mechanical 1 "K" at 152.279,190.236 h0.51 r180
LED90_W3_33: Mechanical 1 "A" at 148.85,168.756 h0.51 r180; Mechanical 1 "K" at 152.279,168.756 h0.51 r180
LED90_W3_34: Mechanical 1 "A" at 152.15,147.276 h0.51 r180; Mechanical 1 "K" at 155.579,147.276 h0.51 r180
LED90_W3_35: Mechanical 1 "A" at 148.85,125.796 h0.51 r180; Mechanical 1 "K" at 152.279,125.796 h0.51 r180
LED90_W3_40: Mechanical 1 "A" at 148.85,104.316 h0.51 r180; Mechanical 1 "K" at 152.279,104.316 h0.51 r180
LED90_W3_41: Mechanical 1 "A" at 148.85,82.836 h0.51 r180; Mechanical 1 "K" at 152.279,82.836 h0.51 r180
LED90_W3_42: Mechanical 1 "A" at 149.85,61.356 h0.51 r180; Mechanical 1 "K" at 153.279,61.356 h0.51 r180
LED90_W3_43: Mechanical 1 "A" at 148.85,39.876 h0.51 r180; Mechanical 1 "K" at 152.279,39.876 h0.51 r180
LED90_W3_44: Mechanical 1 "A" at 148.85,18.396 h0.51 r180; Mechanical 1 "K" at 152.279,18.396 h0.51 r180
LED90_W3_45: Mechanical 1 "A" at 148.85,7.656 h0.51 r180; Mechanical 1 "K" at 152.279,7.656 h0.51 r180
LED90_W3_50: Mechanical 1 "A" at -1.524,286.896 h0.51 r180; Mechanical 1 "K" at 1.905,286.896 h0.51 r180
LED90_W3_51: Mechanical 1 "A" at -1.524,276.156 h0.51 r180; Mechanical 1 "K" at 1.905,276.156 h0.51 r180
LED90_W3_52: Mechanical 1 "A" at -1.524,254.676 h0.51 r180; Mechanical 1 "K" at 1.905,254.676 h0.51 r180
LED90_W3_53: Mechanical 1 "A" at 291.531,250.104 h0.51; Mechanical 1 "K" at 288.102,250.104 h0.51
LED90_W3_54: Mechanical 1 "A" at 291.531,271.584 h0.51; Mechanical 1 "K" at 288.102,271.584 h0.51
LED90_W3_55: Mechanical 1 "A" at 291.531,282.324 h0.51; Mechanical 1 "K" at 288.102,282.324 h0.51
LED91_W3_10: Mechanical 1 "A" at 130.416,121.224 h0.51; Mechanical 1 "K" at 126.987,121.224 h0.51
LED91_W3_11: Mechanical 1 "A" at 130.416,142.704 h0.51; Mechanical 1 "K" at 126.987,142.704 h0.51
LED91_W3_12: Mechanical 1 "A" at 130.416,164.184 h0.51; Mechanical 1 "K" at 126.987,164.184 h0.51
LED91_W3_13: Mechanical 1 "A" at 130.416,185.664 h0.51; Mechanical 1 "K" at 126.987,185.664 h0.51
LED91_W3_14: Mechanical 1 "A" at 130.416,207.144 h0.51; Mechanical 1 "K" at 126.987,207.144 h0.51
LED91_W3_15: Mechanical 1 "A" at 130.416,228.624 h0.51; Mechanical 1 "K" at 126.987,228.624 h0.51
LED91_W3_20: Mechanical 1 "A" at 130.416,3.084 h0.51; Mechanical 1 "K" at 126.987,3.084 h0.51
LED91_W3_21: Mechanical 1 "A" at 130.416,13.824 h0.51; Mechanical 1 "K" at 126.987,13.824 h0.51
LED91_W3_22: Mechanical 1 "A" at 130.416,35.304 h0.51; Mechanical 1 "K" at 126.987,35.304 h0.51
LED91_W3_23: Mechanical 1 "A" at 130.416,56.784 h0.51; Mechanical 1 "K" at 126.987,56.784 h0.51
LED91_W3_24: Mechanical 1 "A" at 130.416,78.264 h0.51; Mechanical 1 "K" at 126.987,78.264 h0.51
LED91_W3_25: Mechanical 1 "A" at 130.416,99.744 h0.51; Mechanical 1 "K" at 126.987,99.744 h0.51
LED91_W3_30: Mechanical 1 "A" at 159.591,233.196 h0.51 r180; Mechanical 1 "K" at 163.02,233.196 h0.51 r180